# Altium PCB Evaluation Board.PcbDoc (part 14 of 22) (continued)
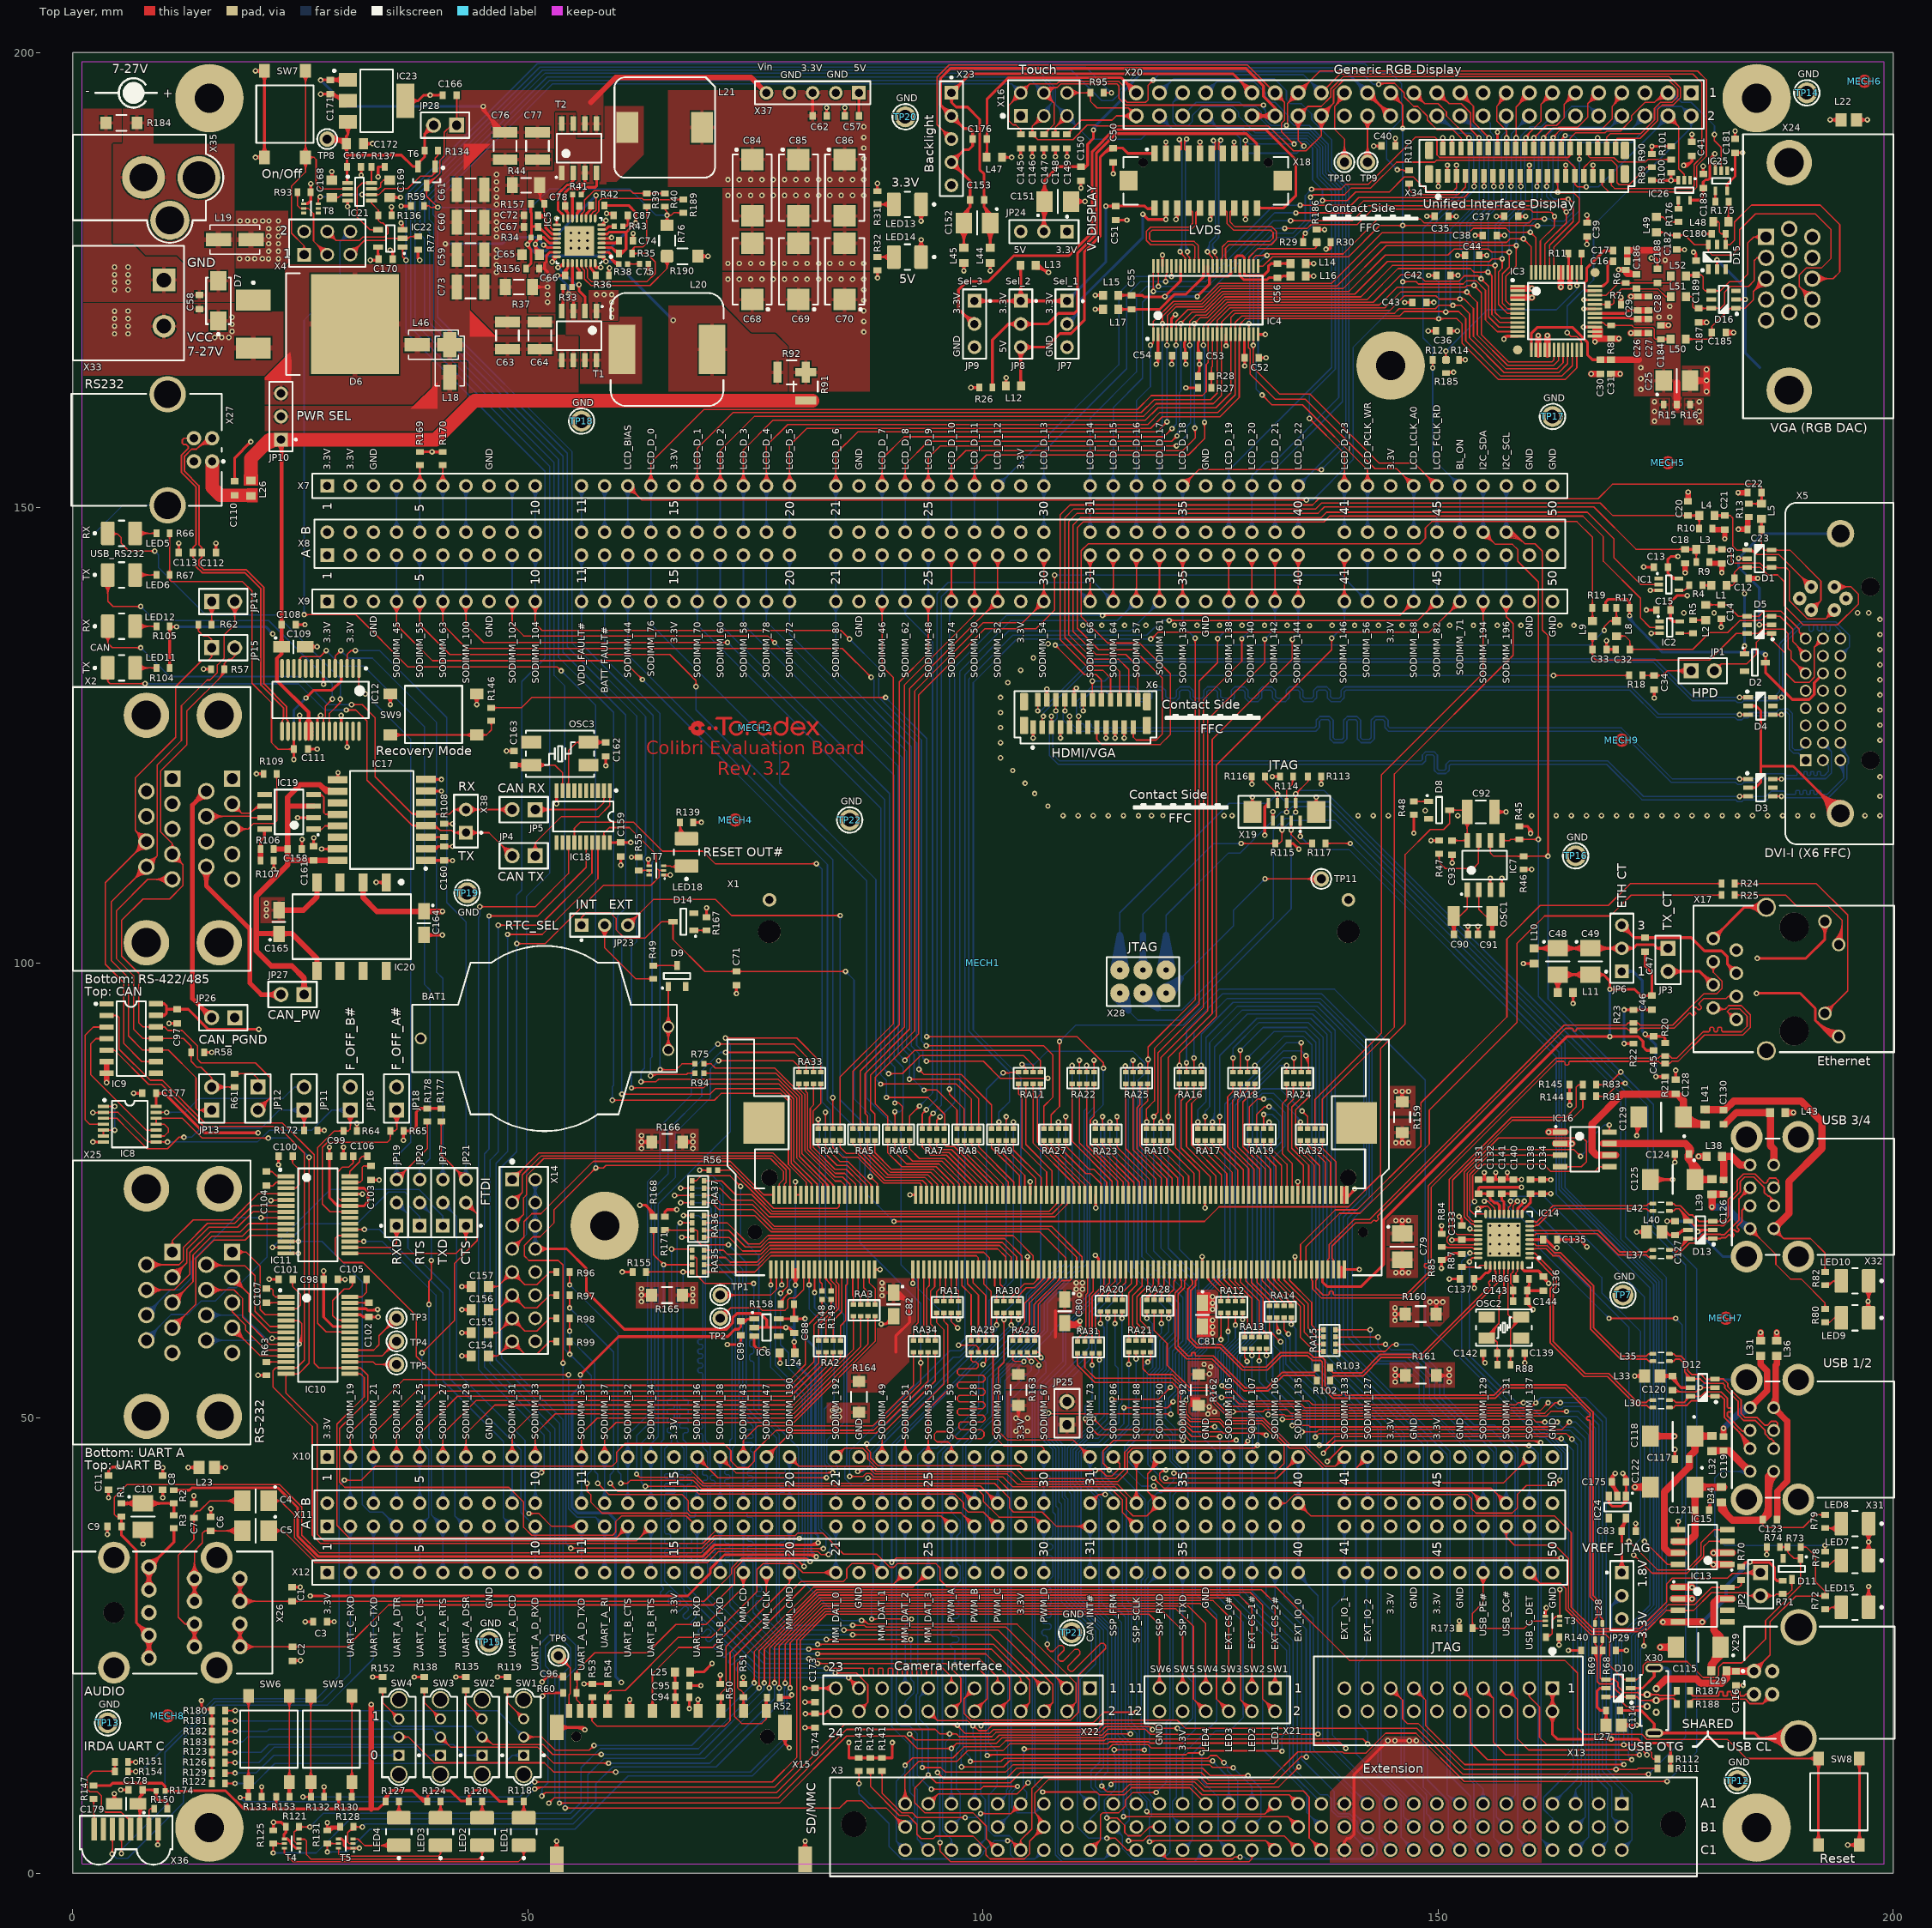
[diagram p0: Top Layer view]
## Nets (pads, with @x,y where several pads share a name; then routed paths per layer and width w, separated by ;. In a path a pad name is that pad's centre, name@x,y a point inside that pad or via, vN(x,y) a via of type N, cw(c..) or ccw(c..) an arc to the next point about the centre after c; other vN are vias at no path point) (continued)
  Bottom Layer w0.15: v1(27.175,184.15) 29.5,184.15 29.75,184.4 v1(31.775,184.4) ; v1@27.334,183.991 cw(c27.718,183.607) 27.718,184.15 cw(c27.718,184.693) v1@27.334,184.309 ; v1@31.616,184.241 ccw(c31.232,183.857) 31.232,184.4 ccw(c31.232,184.943) v1@31.616,184.559
PWR_IN: C58.2 D6.3 D7.1 X33.2 X35.1
  other v1: 15.572,168.708 16.351,168.708 17.13,168.708 4.572,169.114 6.052,169.114 17.48,169.375 4.572,169.942 6.052,169.943 17.48,170.148 4.572,170.771 6.052,170.772 17.48,170.92 4.572,171.6 6.052,171.601
RD_WR#: RA26.7 X3.A28 | length 58.7
  Top Layer w0.15: 104.125,56.95 104.328,56.747 ; RA26.7@104.136,57.21 ccw(c104.377,57.083) 104.184,56.891 ; RA26.7@104.269,57.14 ccw(c104.566,56.984) 104.328,56.747 ; 104.809,56.633 ccw(c105.305,57.129) v1@105.305,56.428 ; 104.967,56.475 cw(c104.695,56.203) v1@105.08,56.203 ; v1(105.305,56.203) 105.305,56.27 105.3,56.275 105.167,56.275 104.696,56.747 104.328,56.747
  Bottom Layer w0.15: X3.A28@101.6,7.62 102.565,8.585 ; X3.A28@101.65,7.992 ccw(c101.727,8.565) 102.136,8.156 ccw(c102.545,7.747) X3.A28@101.972,7.67 ; X3.A28@101.67,8.14 ccw(c101.777,8.944) 102.351,8.371 ccw(c102.924,7.797) X3.A28@102.12,7.69 ; X3.A28@101.69,8.289 ccw(c101.828,9.322) 102.565,8.585 ; X3.A28@102.269,7.71 cw(c103.302,7.848) 102.565,8.585 ; v1@105.146,56.044 cw(c104.762,55.66) 105.305,55.66 cw(c105.848,55.66) v1@105.464,56.044 ; v1@105.339,56.236 105.305,56.27 v1(105.305,56.203) 105.305,55.247 102.718,52.659 102.718,9.307 102.565,9.154 102.565,8.585
RDY: RA26.6 X3.B28 | length 61.8
  Top Layer w0.15: RA26.6@104.864,57.222 104.864,57.153 105.271,56.747 105.504,56.747 106.125,56.125 ; v1@106.046,56.011 ccw(c106.002,56.125) 106.125,56.125 ; v1(106.125,55.8) 106.125,56.125 ; v1@106.204,56.011 cw(c106.248,56.125) 106.125,56.125
  Bottom Layer w0.15: X3.B28@101.6,5.08 102.865,6.345 102.865,9.03 103.073,9.238 103.073,52.023 106.125,55.075 v1(106.125,55.8) ; X3.B28@101.6,5.455 ccw(c101.6,6.36) 102.24,5.72 ccw(c102.88,5.08) X3.B28@101.975,5.08 ; X3.B28@101.6,5.605 ccw(c101.6,6.872) 102.496,5.976 ccw(c103.392,5.08) X3.B28@102.125,5.08 ; X3.B28@101.6,5.755 ccw(c101.6,7.385) 102.752,6.232 ccw(c103.905,5.08) X3.B28@102.275,5.08 ; v1@105.966,55.641 cw(c105.582,55.257) 106.125,55.257 cw(c106.668,55.257) v1@106.284,55.641
RE#: IC8.4 IC9.3 | length 15.5
  Top Layer w0.15: IC8.4@2.82,82.201 ccw(c2.64,82.021) 2.64,82.275 ccw(c2.64,82.528) IC8.4@2.82,82.349 ; IC9.3@3.071,92.79 ccw(c2.687,92.406) 2.687,92.949 ccw(c2.687,93.492) IC9.3@3.071,93.108 ; IC8.4@3.344,82.275 1.848,82.275 1.325,82.798 1.325,92.028 2.246,92.949 IC9.3@3.705,92.949
RECOVERY_MODE#: R146.1 SW9.3 SW9.4 | length 22
  Top Layer w0.15: SW9.4@34.874,125.041 SW9.3@44.374,125.041 45.437,125.041 ; SW9.4@35.289,124.776 cw(c35.929,124.136) 35.929,125.041 cw(c35.929,125.946) SW9.4@35.289,125.306 ; SW9.4@35.395,124.67 cw(c36.291,123.774) 36.291,125.041 cw(c36.291,126.308) SW9.4@35.395,125.412 ; SW9.3@43.853,124.67 ccw(c42.957,123.774) 42.957,125.041 ccw(c42.957,126.308) SW9.3@43.853,125.412 ; SW9.3@43.959,124.776 ccw(c43.319,124.136) 43.319,125.041 ccw(c43.319,125.946) SW9.3@43.959,125.306 ; SW9.3@44.848,124.852 cw(c45.176,124.661) 45.176,125.041 cw(c45.176,125.421) SW9.3@44.848,125.23 ; SW9.3@44.978,124.777 cw(c45.437,124.509) 45.437,125.041 ; SW9.3@44.978,125.305 ccw(c45.437,125.573) 45.437,125.041 ; R146.1@45.797,126.403 cw(c45.37,125.976) 45.974,125.976 cw(c46.578,125.976) R146.1@46.151,126.403 ; R146.1@45.974,126.58 45.974,125.578 45.437,125.041
RESET_EXT#: SW8.3 SW8.4 X1.26 X4.6 | length 395.4
  Top Layer w0.15: v1(25.4,138.252) 31.073,138.252 36.825,132.5 53.225,132.5 v1(53.645,132.08) ; v1@25.559,138.093 cw(c25.943,137.709) 25.943,138.252 cw(c25.943,138.795) v1@25.559,138.411 ; v1@53.42,132.08 ccw(c52.877,132.08) 53.261,132.464 ccw(c53.645,132.848) v1@53.645,132.305 ; v1@53.689,56.193 ccw(c53.305,56.577) 53.848,56.577 ccw(c54.391,56.577) v1@54.007,56.193 ; v1(53.848,56.034) 53.848,66.802 53.34,67.31 50.09,67.31 49.6,67.8 49.6,68.95 50.55,69.9 51.325,69.9 52.875,71.45 52.875,72.9 v1(57.45,77.475) 58.283,77.475 58.559,77.751 70.256,77.751 70.257,77.75 70.459,77.75 70.46,77.751 72.254,77.751 76.98,73.025 83.975,73.025 84.182,73.232 X1.26@84.182,74.516 ; v1(54.7,35.7) 69.1,35.7 70.475,37.075 79.358,37.075 79.658,37.375 82.35,37.375 84.675,35.05 88.317,35.05 89.754,33.613 90.189,33.613 90.571,33.995 94.83,33.995 95.275,33.55 95.275,32.225 96.025,31.475 132.15,31.475 133.55,30.075 140.25,23.375 163.925,23.375 165.3,22 165.3,15.95 166,15.25 172.392,15.25 172.946,14.696 181.779,14.696 183.88,12.595 SW8.4@191.783,12.595 ; v1@54.859,35.541 cw(c55.243,35.157) 55.243,35.7 cw(c55.243,36.243) v1@54.859,35.859 ; v1@57.225,77.475 cw(c56.682,77.475) 57.066,77.091 cw(c57.45,76.707) v1@57.45,77.25 ; v1@57.609,77.316 cw(c57.993,76.932) 57.993,77.475 cw(c57.993,78.018) v1@57.609,77.634 ; X1.26@84.111,73.621 cw(c83.941,73.45) 84.182,73.45 cw(c84.423,73.45) X1.26@84.253,73.621 ; SW8.4@191.412,12.224 ccw(c190.516,11.328) 190.516,12.595 ccw(c190.516,13.862) SW8.4@191.412,12.966 ; SW8.4@191.518,12.33 ccw(c190.878,11.69) 190.878,12.595 ccw(c190.878,13.5) SW8.4@191.518,12.86
  Top Layer w0.3: SW8.3@191.465,3.563 ccw(c190.697,4.331) 191.783,4.331 ccw(c192.869,4.331) SW8.3@192.101,3.563 ; SW8.4@191.465,12.127 cw(c190.697,11.359) 191.783,11.359 cw(c192.869,11.359) SW8.4@192.101,12.127 ; SW8.3@191.783,3.095 SW8.4@191.783,12.595
  Bottom Layer w0.15: v1@25.241,138.411 ccw(c24.857,138.795) 25.4,138.795 ccw(c25.943,138.795) v1@25.559,138.411 ; v1(25.4,138.252) 25.4,170.612 29.348,174.56 29.348,179.208 ; X4.6@29.805,180.331 cw(c28.245,180.311) 29.348,179.208 ; X4.6@29.955,180.333 cw(c28.742,180.318) 29.6,179.46 cw(c30.458,178.602) X4.6@30.473,179.815 ; X4.6@30.105,180.335 cw(c29.238,180.324) 29.851,179.711 cw(c30.464,179.098) X4.6@30.475,179.965 ; X4.6@30.471,179.665 ccw(c30.451,178.105) 29.348,179.208 ; X4.6@30.48,180.34 29.348,179.208 ; v1@53.645,131.855 cw(c53.645,131.312) 54.029,131.696 cw(c54.413,132.08) v1@53.87,132.08 ; v1(53.645,132.08) 57.445,128.28 v1@57.445,77.475 ; v1@53.689,55.875 cw(c53.305,55.491) 53.848,55.491 cw(c54.391,55.491) v1@54.007,55.875 ; v1(53.848,56.034) 53.848,51.851 54.15,51.549 54.15,36.25 v1(54.7,35.7) ; v1@54.475,35.7 ccw(c53.932,35.7) 54.316,36.084 ccw(c54.7,36.468) v1@54.7,35.925 ; v1@57.291,77.634 ccw(c56.919,78.006) 57.445,78.006 ; 57.445,78.03 ccw(c58.005,78.03) v1@57.609,77.634
RESET_OUT: R55.1 T7.5 T7.6 | length 3.6
  Top Layer w0.15: R55.1@61.976,110.163 T7.5@63.32,110.163 T7.6@63.32,109.663 ; R55.1@62.428,109.986 cw(c62.855,109.559) 62.855,110.163 cw(c62.855,110.767) R55.1@62.428,110.34 ; T7.5@63.132,110.11 ccw(c63.004,109.982) 63.004,110.163 ccw(c63.004,110.344) T7.5@63.132,110.216 ; T7.6@63.267,109.716 ccw(c63.139,109.844) 63.32,109.844 ccw(c63.501,109.844) T7.6@63.373,109.716 ; T7.5@63.267,110.11 cw(c63.139,109.982) 63.32,109.982 cw(c63.501,109.982) T7.5@63.373,110.11
RESET_OUT#: IC14.26 IC18.19 IC22.1 R110.1 RA30.6 T7.2 X3.B32 | length 594
  Top Layer w0.15: IC22.1@36.065,178.469 cw(c35.69,178.094) 36.22,178.094 ; 36.22,178.076 cw(c36.777,178.076) IC22.1@36.383,178.469 ; IC22.1@36.22,178.624 36.22,177.58 ; v1@36.375,177.202 ccw(c35.847,177.206) 36.22,177.58 ; v1@36.598,177.425 cw(c36.594,177.953) 36.22,177.58 ; v1(36.6,177.2) 36.22,177.58 ; v1(48.768,102.108) 51.892,102.108 58.303,108.519 63.51,108.519 64.39,109.398 64.39,110.163 ; v1@48.927,101.949 cw(c49.311,101.565) 49.311,102.108 cw(c49.311,102.651) v1@48.927,102.267 ; v2(54.077,7.163) 84.252,7.163 85.039,7.95 86.665,7.95 87.452,7.163 89.357,7.163 X3.B32@91.44,5.08 ; v2@54.236,7.004 cw(c54.62,6.62) 54.62,7.163 cw(c54.62,7.706) v2@54.236,7.322 ; IC18.19@58.235,113.909 ccw(c57.979,114.165) 58.341,114.165 ccw(c58.703,114.165) IC18.19@58.447,113.909 ; IC18.19@58.341,113.228 58.341,114.272 58.928,114.859 61.138,114.859 64.059,111.938 64.059,110.49 64.386,110.163 T7.2@64.9,110.163 ; T7.2@64.712,110.11 ccw(c64.584,109.982) 64.584,110.163 ccw(c64.584,110.344) T7.2@64.712,110.216 ; v1(89.972,34.138) 90.459,34.625 v1(163.5,34.625) ; v1@89.972,34.363 ccw(c89.972,34.906) 90.356,34.522 ccw(c90.74,34.138) v1@90.197,34.138 ; X3.B32@90.765,5.08 ccw(c89.135,5.08) 90.288,6.232 ccw(c91.44,7.385) X3.B32@91.44,5.755 ; X3.B32@90.915,5.08 ccw(c89.648,5.08) 90.544,5.976 ccw(c91.44,6.872) X3.B32@91.44,5.605 ; X3.B32@91.065,5.08 ccw(c90.16,5.08) 90.8,5.72 ccw(c91.44,6.36) X3.B32@91.44,5.455 ; v1@102.927,60.382 ccw(c102.543,60.767) 103.086,60.767 ccw(c103.629,60.767) v1@103.245,60.382 ; RA30.6@102.962,61.416 cw(c102.664,61.117) 103.086,61.117 cw(c103.508,61.117) RA30.6@103.21,61.416 ; v1(103.086,60.223) RA30.6@103.086,61.54 ; v1(145.5,187.125) 146.125,187.125 146.25,187 ; v1@145.659,186.966 cw(c146.043,186.582) 146.043,187.125 cw(c146.043,187.668) v1@145.659,187.284 ; 146.25,187 cw(c146.25,186.619) R110.1@146.529,186.879 ; R110.1@146.484,187.151 cw(c146.25,187.256) 146.25,187 ; R110.1@146.739,187.122 R110.1@146.812,187.049 146.763,187 146.25,187 ; v1@153.467,68.123 v1(153.492,68.123) 153.52,68.095 IC14.26@154.402,68.095 ; IC14.26@154.024,68.042 ccw(c153.896,67.914) 153.896,68.095 ccw(c153.896,68.276) IC14.26@154.024,68.148 ; v1@163.341,34.466 ccw(c162.957,34.082) 162.957,34.625 ccw(c162.957,35.168) v1@163.341,34.784
  Bottom Layer w0.15: v1@36.441,177.041 cw(c36.057,176.657) 36.6,176.657 cw(c37.143,176.657) v1@36.759,177.041 ; v1@36.441,177.359 ccw(c36.057,177.743) 36.6,177.743 ccw(c37.143,177.743) v1@36.759,177.359 ; v1@48.609,101.949 cw(c48.225,101.565) 48.768,101.565 cw(c49.311,101.565) v1@48.927,101.949 ; v1@48.609,102.267 ccw(c48.225,102.651) 48.768,102.651 ccw(c49.311,102.651) v1@48.927,102.267 ; v2@53.918,7.322 ccw(c53.533,7.706) 54.077,7.706 ccw(c54.62,7.706) v2@54.236,7.322 ; v2(54.077,7.163) 54.077,21.352 55.25,22.525 55.25,25.025 53.85,26.425 53.85,49.825 47.117,56.558 47.117,77.597 48.768,79.248 v1(48.768,102.108) 48.768,107.442 49.327,108.001 49.327,130.912 51.875,133.46 51.875,154 36.6,169.275 v1(36.6,177.2) 36.6,184.35 51.02,198.77 141.951,198.77 142.947,197.775 144.775,197.775 146,196.55 146,192.7 144.323,191.023 144.323,188.302 v1(145.5,187.125) ; v1@89.813,33.979 cw(c89.428,33.594) 89.972,33.594 cw(c90.515,33.594) v1@90.131,33.979 ; v1@89.813,34.297 ccw(c89.428,34.681) 89.972,34.681 ccw(c90.515,34.681) v1@90.131,34.297 ; X3.B32@91.44,5.08 92.473,6.113 ; X3.B32@91.47,5.454 ccw(c91.525,6.142) 92.014,5.654 ccw(c92.502,5.165) X3.B32@91.814,5.11 ; X3.B32@91.482,5.603 ccw(c91.56,6.567) 92.243,5.883 ccw(c92.927,5.2) X3.B32@91.963,5.122 ; X3.B32@91.494,5.753 ccw(c91.594,6.992) 92.473,6.113 ; X3.B32@92.113,5.134 cw(c93.352,5.234) 92.473,6.113 ; v1(103.086,60.223) 103.073,60.223 89.972,47.122 v1(89.972,34.138) 89.972,16.078 91.95,14.1 91.95,8.9 92.473,8.377 92.473,6.113 ; v1@145.275,187.125 ccw(c144.732,187.125) 145.116,187.509 ccw(c145.5,187.893) v1@145.5,187.35 ; v1@153.267,68.123 cw(c152.724,68.123) 153.108,67.739 cw(c153.492,67.355) v1@153.492,67.898 ; v1(153.492,68.123) 152.578,67.208 152.578,57.047 161.225,48.4 161.683,48.4 163.932,46.152 163.932,35.057 v1(163.5,34.625) ; v1@163.5,34.85 ccw(c163.5,35.393) 163.884,35.009 ccw(c164.268,34.625) v1@163.725,34.625
RESET_OUT_S#: RA30.2 X1.87 | length 7.2
  Top Layer w0.15: RA30.2@102.962,62.963 ccw(c102.664,63.262) 103.086,63.262 ccw(c103.508,63.262) RA30.2@103.21,62.963 ; RA30.2@103.086,62.84 103.086,63.284 104.556,64.754 105.554,64.754 106.082,65.282 ; 105.763,64.963 ccw(c105.235,65.491) X1.87@105.982,65.491 ; 106.019,65.219 ccw(c105.747,65.491) X1.87@106.132,65.491 ; X1.87@106.019,65.414 cw(c105.913,65.282) 106.082,65.282 ; X1.87@106.082,66.316 106.082,65.282 ; X1.87@106.145,65.414 ccw(c106.251,65.282) 106.082,65.282
RS232_L_CTS: IC11.8 X25.L8 | length 31.8
  Top Layer w0.15: v1(20.651,72) 23.403,72 IC11.8@23.419,72.016 ; v1@20.81,71.841 cw(c21.195,71.457) 21.195,72 cw(c21.195,72.543) v1@20.81,72.159 ; 22.344,72 cw(c22.344,71.62) IC11.8@22.613,71.889 ; 22.369,72 ccw(c22.369,72.345) IC11.8@22.613,72.101
  Bottom Layer w0.15: X25.L8@8.077,61.303 8.077,61.433 10.728,64.084 11.735,64.084 13.025,65.374 13.025,67.2 17.825,72 v1(20.651,72) ; X25.L8@8.077,61.828 ccw(c8.077,62.78) 8.751,62.107 ; X25.L8@8.077,61.978 ccw(c8.077,63.292) 9.007,62.363 ; X25.L8@8.077,62.128 ccw(c8.077,63.805) 9.263,62.619 ; X25.L8@8.452,61.303 cw(c9.673,61.303) 8.81,62.166 ; X25.L8@8.602,61.303 cw(c10.185,61.303) 9.066,62.422 ; X25.L8@8.752,61.303 cw(c10.697,61.303) 9.322,62.678 ; X25.L8@8.902,61.303 cw(c11.209,61.303) 9.578,62.934 ; v1@20.492,71.841 ccw(c20.108,71.457) 20.108,72 ccw(c20.108,72.543) v1@20.492,72.159
RS232_L_DCD: IC11.4 X25.L1 | length 18.7
  Top Layer w0.15: X25.L1@10.599,68.984 ccw(c10.391,69.472) 10.922,69.472 ; X25.L1@10.658,68.846 ccw(c10.488,69.245) 10.922,69.245 ccw(c11.356,69.245) X25.L1@11.186,68.846 ; X25.L1@10.922,68.224 10.922,69.472 ; X25.L1@11.245,68.984 cw(c11.453,69.472) 10.922,69.472 ; 22.28,74.627 cw(c22.28,74.156) IC11.4@22.613,74.489 ; 22.434,74.627 ccw(c22.434,74.88) IC11.4@22.613,74.701 ; IC11.4@23.419,74.616 23.408,74.627 20.352,74.627 17.5,71.775 13.225,71.775 10.922,69.472
RS232_L_DSR: IC11.6 X25.L6 | length 28.5
  Top Layer w0.15: X25.L6@8.077,66.84 11.656,66.84 12.15,67.334 12.15,68.75 14.775,71.375 17.775,71.375 19.716,73.316 IC11.6@23.419,73.316 ; X25.L6@8.342,66.575 cw(c8.983,65.935) 8.983,66.84 cw(c8.983,67.745) X25.L6@8.342,67.105 ; X25.L6@8.448,66.469 cw(c9.345,65.573) 9.345,66.84 cw(c9.345,68.108) X25.L6@8.448,67.211 ; X25.L6@8.554,66.363 cw(c9.707,65.211) 9.707,66.84 cw(c9.707,68.47) X25.L6@8.554,67.317 ; X25.L6@8.661,66.257 cw(c10.069,64.848) 10.069,66.84 cw(c10.069,68.832) X25.L6@8.661,67.423 ; 22.306,73.316 cw(c22.306,72.882) IC11.6@22.613,73.189 ; 22.407,73.316 ccw(c22.407,73.607) IC11.6@22.613,73.401
RS232_L_DTR: IC11.11 X25.L4 | length 29.3
  Top Layer w0.15: X25.L4@10.922,59.919 13.5,62.497 13.5,67.55 15.5,69.55 18.925,69.55 19.441,70.066 IC11.11@23.419,70.066 ; X25.L4@10.922,60.294 ccw(c10.922,61.199) 11.562,60.559 ccw(c12.202,59.919) X25.L4@11.297,59.919 ; X25.L4@10.922,60.444 ccw(c10.922,61.711) 11.818,60.815 ccw(c12.714,59.919) X25.L4@11.447,59.919 ; X25.L4@10.922,60.594 ccw(c10.922,62.223) 12.074,61.071 ccw(c13.227,59.919) X25.L4@11.597,59.919 ; X25.L4@10.922,60.744 ccw(c10.922,62.735) 12.33,61.327 ccw(c13.739,59.919) X25.L4@11.747,59.919 ; 22.306,70.066 cw(c22.306,69.632) IC11.11@22.613,69.939 ; 22.407,70.066 ccw(c22.407,70.357) IC11.11@22.613,70.151
RS232_L_RI: IC11.5 X25.L9 | length 36.1
  Top Layer w0.15: v1(21.754,73.9) 21.799,73.945 IC11.5@23.419,73.945 ; v1@21.913,73.741 cw(c22.406,73.248) 22.406,73.945 ; v1@21.913,74.059 ccw(c22.189,74.335) 22.189,73.945 ; IC11.5@22.613,73.839 ccw(c22.357,73.583) 22.357,73.945 ccw(c22.357,74.307) IC11.5@22.613,74.051
  Bottom Layer w0.15: X25.L9@8.077,58.534 8.077,58.665 10.787,61.375 12.625,61.375 14.1,62.85 15.65,62.85 17.131,64.331 17.967,64.331 21.325,67.689 21.325,73.471 v1(21.754,73.9) ; X25.L9@8.077,59.059 ccw(c8.077,60.012) 8.751,59.338 ; X25.L9@8.077,59.209 ccw(c8.077,60.524) 9.007,59.594 ; X25.L9@8.077,59.359 ccw(c8.077,61.036) 9.263,59.85 ; X25.L9@8.452,58.534 cw(c9.673,58.534) 8.81,59.397 ; X25.L9@8.602,58.534 cw(c10.185,58.534) 9.066,59.653 ; X25.L9@8.752,58.534 cw(c10.697,58.534) 9.322,59.909 ; X25.L9@8.902,58.534 cw(c11.209,58.534) 9.578,60.165 ; v1@21.529,73.9 cw(c20.986,73.9) 21.37,73.516 cw(c21.754,73.132) v1@21.754,73.675
RS232_L_RTS: IC11.9 X25.L7 | length 28.7
  Top Layer w0.15: X25.L7@8.077,64.072 8.081,64.075 11.132,64.075 12.85,65.793 12.85,68.175 15.125,70.45 18.375,70.45 19.291,71.366 IC11.9@23.419,71.366 ; X25.L7@8.342,63.806 cw(c8.991,63.158) 8.991,64.075 ; X25.L7@8.448,63.7 cw(c9.353,62.796) 9.353,64.075 ; X25.L7@8.448,64.443 ccw(c9.336,65.331) 9.336,64.075 ; X25.L7@8.554,63.594 cw(c9.715,62.433) 9.715,64.075 ; X25.L7@8.554,64.549 ccw(c9.698,65.693) 9.698,64.075 ; X25.L7@8.661,63.488 cw(c10.077,62.071) 10.077,64.075 ; X25.L7@8.661,64.655 ccw(c10.06,66.055) 10.06,64.075 ; 22.306,71.366 cw(c22.306,70.932) IC11.9@22.613,71.239 ; 22.407,71.366 ccw(c22.407,71.657) IC11.9@22.613,71.451
RS232_L_RXD: IC11.7 X25.L2 | length 26
  Top Layer w0.15: X25.L2@10.922,65.456 12.525,67.059 12.525,68.525 14.95,70.95 18.075,70.95 19.791,72.666 IC11.7@23.419,72.666 ; X25.L2@10.922,65.831 ccw(c10.922,66.736) 11.562,66.096 ccw(c12.202,65.456) X25.L2@11.297,65.456 ; X25.L2@10.922,65.981 ccw(c10.922,67.248) 11.818,66.352 ccw(c12.714,65.456) X25.L2@11.447,65.456 ; X25.L2@10.922,66.131 ccw(c10.922,67.76) 12.074,66.608 ccw(c13.227,65.456) X25.L2@11.597,65.456 ; X25.L2@10.922,66.281 ccw(c10.922,68.273) 12.33,66.864 ccw(c13.739,65.456) X25.L2@11.747,65.456 ; 22.306,72.666 cw(c22.306,72.232) IC11.7@22.613,72.539 ; 22.407,72.666 ccw(c22.407,72.957) IC11.7@22.613,72.751
RS232_L_TXD: IC11.10 X25.L3 | length 27.2
  Top Layer w0.15: X25.L3@10.922,62.687 13.2,64.965 13.2,67.9 15.275,69.975 18.625,69.975 19.366,70.716 IC11.10@23.419,70.716 ; X25.L3@10.922,63.062 ccw(c10.922,63.968) 11.562,63.327 ccw(c12.202,62.687) X25.L3@11.297,62.687 ; X25.L3@10.922,63.212 ccw(c10.922,64.48) 11.818,63.583 ccw(c12.714,62.687) X25.L3@11.447,62.687 ; X25.L3@10.922,63.362 ccw(c10.922,64.992) 12.074,63.839 ccw(c13.227,62.687) X25.L3@11.597,62.687 ; X25.L3@10.922,63.512 ccw(c10.922,65.504) 12.33,64.096 ccw(c13.739,62.687) X25.L3@11.747,62.687 ; 22.306,70.716 cw(c22.306,70.282) IC11.10@22.613,70.589 ; 22.407,70.716 ccw(c22.407,71.007) IC11.10@22.613,70.801
RS232_U_CTS: IC10.8 X25.U8 | length 20.4
  Top Layer w0.15: v1(21.9,58.75) 21.906,58.756 IC10.8@23.419,58.756 IC10.8@23.388,58.725 ; IC10.8@22.613,58.65 ccw(c22.357,58.394) 22.357,58.756 ccw(c22.357,59.118) IC10.8@22.613,58.862
  Bottom Layer w0.15: X25.U8@14.656,61.303 18.622,61.303 21.175,58.75 v1(21.9,58.75) ; X25.U8@14.921,61.038 cw(c15.561,60.398) 15.561,61.303 cw(c15.561,62.208) X25.U8@14.921,61.568 ; X25.U8@15.027,60.932 cw(c15.923,60.035) 15.923,61.303 cw(c15.923,62.57) X25.U8@15.027,61.674 ; X25.U8@15.133,60.826 cw(c16.285,59.673) 16.285,61.303 cw(c16.285,62.932) X25.U8@15.133,61.78 ; X25.U8@15.239,60.72 cw(c16.648,59.311) 16.648,61.303 cw(c16.648,63.295) X25.U8@15.239,61.886 ; v1@21.741,58.591 ccw(c21.357,58.207) 21.357,58.75 ccw(c21.357,59.293) v1@21.741,58.909
RS232_U_DCD: IC10.4 X25.U1 | length 16.8
  Top Layer w0.15: X25.U1@17.501,68.224 19.001,68.224 ; X25.U1@17.944,67.943 cw(c18.455,67.619) 18.455,68.224 cw(c18.455,68.83) X25.U1@17.944,68.506 ; X25.U1@18.071,67.863 cw(c18.728,67.446) 18.728,68.224 cw(c18.728,69.002) X25.U1@18.071,68.586 ; X25.U1@18.197,67.783 cw(c19.001,67.273) 19.001,68.224 ; X25.U1@18.197,68.666 ccw(c19.001,69.175) 19.001,68.224 ; 19.051,68.224 20.575,66.7 20.575,61.925 21.144,61.356 IC10.4@23.419,61.356 ; IC10.4@22.613,61.25 ccw(c22.357,60.994) 22.357,61.356 ccw(c22.357,61.718) IC10.4@22.613,61.462
RS232_U_DSR: IC10.6 X25.U6 | length 23.1
  Top Layer w0.15: X25.U6@14.656,66.84 14.771,66.725 18.9,66.725 20,65.625 20,61.725 21.669,60.056 IC10.6@23.419,60.056 ; X25.U6@14.921,67.105 ccw(c15.839,68.023) 15.839,66.725 ; X25.U6@15.027,66.469 cw(c15.645,65.851) 15.645,66.725 ; X25.U6@15.027,67.211 ccw(c16.201,68.385) 16.201,66.725 ; X25.U6@15.133,66.363 cw(c16.008,65.488) 16.008,66.725 ; X25.U6@15.133,67.317 ccw(c16.563,68.748) 16.563,66.725 ; X25.U6@15.239,66.257 cw(c16.37,65.126) 16.37,66.725 ; X25.U6@15.239,67.423 ccw(c16.925,69.11) 16.925,66.725 ; IC10.6@22.613,59.95 ccw(c22.357,59.694) 22.357,60.056 ccw(c22.357,60.418) IC10.6@22.613,60.162
RS232_U_DTR: IC10.11 X25.U4 | length 16.9
  Top Layer w0.15: X25.U4@17.501,59.094 cw(c17.501,57.102) 18.909,58.51 cw(c20.317,59.919) X25.U4@18.326,59.919 ; X25.U4@17.501,59.244 cw(c17.501,57.614) 18.653,58.766 cw(c19.805,59.919) X25.U4@18.176,59.919 ; X25.U4@17.501,59.394 cw(c17.501,58.126) 18.397,59.022 cw(c19.293,59.919) X25.U4@18.026,59.919 ; X25.U4@17.501,59.544 cw(c17.501,58.638) 18.141,59.278 cw(c18.781,59.919) X25.U4@17.876,59.919 ; X25.U4@17.501,59.919 20.613,56.806 IC10.11@23.419,56.806 ; IC10.11@22.613,56.7 ccw(c22.357,56.444) 22.357,56.806 ccw(c22.357,57.168) IC10.11@22.613,56.912
RS232_U_RI: IC10.5 X25.U9 | length 28.5
  Top Layer w0.15: IC10.5@23.342,60.783 IC10.5@23.419,60.706 24.819,60.706 25.125,60.4 25.125,58.375 ; IC10.5@24.225,60.6 cw(c24.481,60.344) 24.481,60.706 cw(c24.481,61.068) IC10.5@24.225,60.812 ; v1@24.716,58.284 ccw(c23.728,59.272) 25.125,59.272 ; v1@24.822,58.178 ccw(c24.09,58.91) 25.125,58.91 ; v1(24.875,58.125) 25.125,58.375 ; v1@24.928,58.072 ccw(c24.453,58.547) 25.125,58.547 ; v1@24.952,58.337 ccw(c25.008,58.492) 25.125,58.375 ; v1@25.087,58.202 cw(c25.242,58.258) 25.125,58.375
  Bottom Layer w0.15: X25.U9@14.656,58.534 20.116,58.534 21.125,57.525 24.275,57.525 v1(24.875,58.125) ; X25.U9@14.921,58.269 cw(c15.561,57.629) 15.561,58.534 cw(c15.561,59.44) X25.U9@14.921,58.799 ; X25.U9@15.027,58.163 cw(c15.923,57.267) 15.923,58.534 cw(c15.923,59.802) X25.U9@15.027,58.906 ; X25.U9@15.133,58.057 cw(c16.285,56.905) 16.285,58.534 cw(c16.285,60.164) X25.U9@15.133,59.012 ; X25.U9@15.239,57.951 cw(c16.648,56.543) 16.648,58.534 cw(c16.648,60.526) X25.U9@15.239,59.118 ; v1@24.65,58.125 cw(c24.107,58.125) 24.491,57.741 cw(c24.875,57.357) v1@24.875,57.9
RS232_U_RTS: IC10.9 X25.U7 | length 22.1
  Top Layer w0.15: X25.U7@14.656,64.072 17.707,64.072 18.626,63.153 18.626,61.099 21.619,58.106 IC10.9@23.419,58.106 ; X25.U7@14.921,63.806 cw(c15.561,63.166) 15.561,64.072 cw(c15.561,64.977) X25.U7@14.921,64.337 ; X25.U7@15.027,63.7 cw(c15.923,62.804) 15.923,64.072 cw(c15.923,65.339) X25.U7@15.027,64.443 ; X25.U7@15.133,63.594 cw(c16.285,62.442) 16.285,64.072 cw(c16.285,65.701) X25.U7@15.133,64.549 ; X25.U7@15.239,63.488 cw(c16.648,62.08) 16.648,64.072 cw(c16.648,66.063) X25.U7@15.239,64.655 ; IC10.9@22.613,58 ccw(c22.357,57.744) 22.357,58.106 ccw(c22.357,58.468) IC10.9@22.613,58.212
RS232_U_RXD: IC10.7 X25.U2 | length 19.3
  Top Layer w0.15: X25.U2@17.501,64.631 cw(c17.501,62.639) 18.909,64.047 cw(c20.317,65.456) X25.U2@18.326,65.456 ; X25.U2@17.501,64.781 cw(c17.501,63.151) 18.653,64.304 cw(c19.805,65.456) X25.U2@18.176,65.456 ; X25.U2@17.501,64.931 cw(c17.501,63.663) 18.397,64.56 cw(c19.293,65.456) X25.U2@18.026,65.456 ; X25.U2@17.501,65.081 cw(c17.501,64.175) 18.141,64.816 cw(c18.781,65.456) X25.U2@17.876,65.456 ; X25.U2@17.569,65.456 X25.U2@17.501,65.456 19.35,63.606 19.35,61.725 21.669,59.406 IC10.7@23.419,59.406 ; IC10.7@22.613,59.3 ccw(c22.357,59.044) 22.357,59.406 ccw(c22.357,59.768) IC10.7@22.613,59.512
RS232_U_TXD: IC10.10 X25.U3 | length 10.2
  Top Layer w0.15: X25.U3@17.334,61.879 cw(c17.291,61.675) 17.501,61.675 ; X25.U3@17.501,62.649 X25.U3@17.501,62.687 17.501,61.674 ; X25.U3@17.667,61.879 ccw(c17.71,61.675) 17.501,61.675 ; IC10.10@22.613,57.35 ccw(c22.357,57.094) 22.357,57.456 ccw(c22.357,57.818) IC10.10@22.613,57.562 ; IC10.10@23.419,57.456 21.194,57.456 18.975,59.675 18.975,60.2 17.501,61.674
RS485_RXD+: IC9.12 JP12.2 JP15.2 R57.1 X2.L4 | length 93.2
  Top Layer w0.15: IC9.12@8.471,92.81 ccw(c8.087,92.426) 8.087,92.969 ccw(c8.087,93.512) IC9.12@8.471,93.128 ; IC9.12@9.754,92.826 cw(c10.056,92.577) 10.056,92.969 ; IC9.12@9.754,93.112 ccw(c10.056,93.361) 10.056,92.969 ; X2.L4@10.64,112.716 ccw(c10.494,113.118) 10.922,113.118 ; X2.L4@10.691,112.575 ccw(c10.572,112.904) 10.922,112.904 ccw(c11.272,112.904) X2.L4@11.153,112.575 ; X2.L4@11.001,111.422 cw(c11.116,110.668) 11.656,111.207 cw(c12.195,111.746) X2.L4@11.441,111.861 ; X2.L4@11.024,111.273 cw(c11.172,110.304) 11.865,110.997 cw(c12.559,111.691) X2.L4@11.589,111.839 ; X2.L4@11.046,111.125 cw(c11.227,109.94) 12.075,110.788 ; X2.L4@11.204,112.716 cw(c11.35,113.118) 10.922,113.118 ; X2.L4@11.738,111.816 ccw(c12.923,111.635) 12.075,110.788 ; 15.943,131.093 ccw(c14.86,132.175) R57.1@16.391,132.175 ; 16.199,131.349 ccw(c15.372,132.175) R57.1@16.541,132.175 ; 16.455,131.605 ccw(c15.885,132.175) R57.1@16.691,132.175 ; R57.1@16.486,132.571 ccw(c16.234,132.891) 16.641,132.891 ; R57.1@16.54,131.946 cw(c16.471,131.791) 16.641,131.791 ; R57.1@16.742,131.946 ccw(c16.811,131.791) 16.641,131.791 ; R57.1@16.796,132.571 cw(c17.048,132.891) 16.641,132.891 ; JP15.2@17.633,133.885 cw(c17.597,133.705) 17.78,133.705 ; JP15.2@17.78,134.62 17.78,133.705 ; JP15.2@17.927,133.885 ccw(c17.963,133.705) 17.78,133.705 ; JP12.2@20.32,83.82 21.715,85.215 21.715,87.36 20.05,89.025 14.075,89.025 13.675,89.425 13.675,90.9 12,92.575 10.45,92.575 10.056,92.969 ; JP12.2@20.32,84.27 ccw(c20.32,85.356) 21.088,84.588 ccw(c21.856,83.82) JP12.2@20.77,83.82 ; JP12.2@20.32,84.42 ccw(c20.32,85.869) 21.344,84.844 ccw(c22.369,83.82) JP12.2@20.92,83.82 ; JP12.2@20.32,84.57 ccw(c20.32,86.381) 21.6,85.1 ccw(c22.881,83.82) JP12.2@21.07,83.82 ; 10.056,92.969 IC9.12@9.105,92.969 7.681,92.969 7.225,93.425 7.225,98.875 5.352,100.748 5.352,104.677 7.7,107.025 10.625,107.025 12.075,108.475 12.075,110.788 ; 10.922,113.118 9.625,114.415 9.625,121.068 12.5,123.943 12.5,127.65 16.641,131.791 ; 10.922,113.118 X2.L4@10.922,111.941 12.075,110.788 ; 16.641,131.791 R57.1@16.641,132.275 16.641,132.891 ; 16.641,132.891 17.1,133.35 17.425,133.35 17.78,133.705
RS485_RXD-: IC9.11 JP13.2 R58.2 R61.1 X2.L5 | length 57.9
  Top Layer w0.15: IC9.11@8.471,91.54 ccw(c8.087,91.156) 8.087,91.699 ccw(c8.087,92.242) IC9.11@8.471,91.858 ; IC9.11@9.739,91.54 cw(c10.123,91.156) 10.123,91.699 cw(c10.123,92.242) IC9.11@9.739,91.858 ; X2.L5@10.339,108.589 ccw(c8.93,107.18) 8.93,109.172 ccw(c8.93,111.164) X2.L5@10.339,109.755 ; X2.L5@10.445,108.695 ccw(c9.292,107.542) 9.292,109.172 ccw(c9.292,110.802) X2.L5@10.445,109.649 ; X2.L5@10.551,108.801 ccw(c9.655,107.905) 9.655,109.172 ccw(c9.655,110.439) X2.L5@10.551,109.543 ; X2.L5@10.657,108.907 ccw(c10.017,108.267) 10.017,109.172 ccw(c10.017,110.077) X2.L5@10.657,109.437 ; X2.L5@10.922,109.172 8.222,109.172 4.8,105.75 4.8,100.451 6.65,98.601 6.65,92.725 7.676,91.699 IC9.11@9.105,91.699 12.126,91.699 12.981,90.844 ; R58.2@12.804,89.898 cw(c12.377,89.471) 12.981,89.471 cw(c13.585,89.471) R58.2@13.158,89.898 ; R58.2@12.812,90.459 ccw(c12.459,90.844) 12.981,90.844 ; R58.2@13.15,90.459 cw(c13.503,90.844) 12.981,90.844 ; JP13.2@15.013,87.075 ccw(c14.915,87.385) 15.24,87.385 ; JP13.2@15.467,87.075 cw(c15.565,87.385) 15.24,87.385 ; JP13.2@15.558,86.042 cw(c16.326,85.274) 16.326,86.36 cw(c16.326,87.446) JP13.2@15.558,86.678 ; JP13.2@15.664,85.936 cw(c16.689,84.911) 16.689,86.36 cw(c16.689,87.809) JP13.2@15.664,86.784 ; JP13.2@15.77,85.83 cw(c17.051,84.549) 17.051,86.36 cw(c17.051,88.171) JP13.2@15.77,86.89 ; R61.1@17.503,86.183 ccw(c17.076,85.756) 17.076,86.36 ccw(c17.076,86.964) R61.1@17.503,86.537 ; R61.1@17.78,86.36 JP13.2@15.24,86.36 15.24,87.385 ; 12.981,90.844 R58.2@12.981,90.175 12.981,89.194 13.625,88.55 14.075,88.55 15.24,87.385
RS485_TXD+: IC9.9 JP15.1 R62.2 X2.L8 | length 76.6
  Top Layer w0.15: X2.L8@7.252,113.325 cw(c5.26,113.325) 6.669,111.917 cw(c8.077,110.508) X2.L8@8.077,112.5 ; X2.L8@7.256,113.409 ccw(c5.851,113.553) 6.85,114.552 ccw(c7.849,115.551) X2.L8@7.993,114.146 ; X2.L8@7.402,113.325 cw(c5.773,113.325) 6.925,112.173 cw(c8.077,111.02) X2.L8@8.077,112.65 ; X2.L8@7.406,113.394 ccw(c6.256,113.512) 7.073,114.329 ccw(c7.891,115.146) X2.L8@8.008,113.996 ; X2.L8@7.552,113.325 cw(c6.285,113.325) 7.181,112.429 cw(c8.077,111.532) X2.L8@8.077,112.8 ; X2.L8@7.555,113.378 ccw(c6.661,113.47) 7.296,114.106 ccw(c7.932,114.742) X2.L8@8.024,113.847 ; X2.L8@7.702,113.325 cw(c6.797,113.325) 7.437,112.685 cw(c8.077,112.045) X2.L8@8.077,112.95 ; IC9.9@8.471,89 ccw(c8.087,88.616) 8.087,89.159 ccw(c8.087,89.702) IC9.9@8.471,89.318 ; IC9.9@9.105,89.159 7.563,89.159 5.575,91.147 5.575,97.825 3.55,99.85 3.55,108.798 X2.L8@8.077,113.325 6.85,114.552 6.85,120.325 11.3,124.775 11.3,130.35 14.175,133.225 14.85,133.225 15.24,133.615 ; R62.2@13.614,136.882 cw(c13.195,136.46) 13.79,136.46 ; R62.2@13.79,137.16 13.79,136.46 ; R62.2@13.966,136.882 ccw(c14.385,136.46) 13.79,136.46 ; JP15.1@15.027,133.901 cw(c14.942,133.615) 15.24,133.615 ; JP15.1@15.101,135.357 ccw(c15.069,135.525) 15.24,135.525 ; JP15.1@15.379,135.357 cw(c15.411,135.525) 15.24,135.525 ; JP15.1@15.453,133.901 ccw(c15.538,133.615) 15.24,133.615 ; 13.79,136.46 14.36,135.89 14.875,135.89 15.24,135.525 ; 15.24,133.615 JP15.1@15.24,134.62 15.24,135.525